# KiCad board TRS80IJP_1.kicad_pcb (continued)
## Nets
+5V: C12.1 C13.2 C20.2 C22.2 C23.2 C24.2 C25.2 C26.2 C29.2 C32.2 C35.2 C38.2 C39.2 C44.2 C45.2 C46.2 C47.2 C49.2 C51.2 C52.2 C53.2 C54.2 C55.2 C56.2 C58.2 C59.2 C63.2 C64.2 C65.2 C66.2 C67.2 C68.2 C69.2 C71.2 C72.2 CN1.1 CN3.1 CR2.1 CR4.1 FAN1.3 JP9.1 K1.5 Q2.1 R5.2 R7.2 R16.2 R19.2 R20.1 R31.2 R34.1 R39.2 R40.2 R41.1 R48.1 R49.2 R52.2 R54.1 R55.1 R64.1 R65.1 R66.1 R67.1 R68.1 R69.1 R70.1 R71.1 R72.1 R74.1 R75.2 R76.1 R77.1 RP1.1 RP2.1 Z1.3 Z3.8 Z4.16 Z5.14 Z6.5 Z7.5 Z8.16 Z9.18 Z10.18 Z11.16 Z12.20 Z13.16 Z14.16 Z15.9 Z16.9 Z17.9 Z18.9 Z19.9 Z20.9 Z21.9 Z22.9 Z23.20 Z24.16 Z26.14 Z27.16 Z28.5 Z29.16 Z30.16 Z31.14 Z32.14 Z33.14 Z34.5 Z35.5 Z36.16 Z37.18 Z38.18 Z39.16 Z40.14 Z41.14 Z42.24 Z43.24 Z44.14 Z45.14 Z46.14 Z47.14 Z48.11 Z49.20 Z50.14 Z51.14 Z52.14 Z53.14 Z54.14 Z55.14 Z56.16 Z57.16 Z58.16 Z59.16 Z60.14 Z61.16 Z62.14 Z63.14 Z64.14 Z65.5 Z66.16 Z67.14 Z68.20
+12V: C14.1 C15.2 C27.2 C30.2 C33.2 C36.2 FAN1.1 R26.1 R30.1 Z1.11 Z1.12 Z2.3 Z15.8 Z16.8 Z17.8 Z18.8 Z19.8 Z20.8 Z21.8 Z22.8
-5V: C6.2 C7.2 C8.2 C28.2 C31.2 C34.2 C37.2 CR3.2 FAN1.2 R12.2 Z15.1 Z16.1 Z17.1 Z18.1 Z19.1 Z20.1 Z21.1 Z22.1
/RAM/V0: Z9.5 Z10.5 Z36.9
/RAM/V1: Z9.6 Z10.6 Z36.4
/RAM/V2: Z9.7 Z10.7 Z36.12
/RAM/V3: Z9.4 Z10.4 Z36.7
/RAM/V4: Z9.3 Z10.3 Z29.9
/RAM/V5: Z9.2 Z10.2 Z29.4
/RAM/V6: Z8.9 Z9.1 Z10.1
/RAM/V7: Z8.12 Z9.17 Z10.17
/RAM/V8: Z8.4 Z9.16 Z10.16
/RAM/V9: Z8.7 Z9.15 Z10.15
GND: C1.2 C3.2 C4.2 C5.1 C6.1 C7.1 C8.1 C9.2 C10.2 C12.2 C13.1 C14.2 C15.1 C19.2 C20.1 C22.1 C23.1 C24.1 C25.1 C26.1 C27.1 C28.1 C29.1 C30.1 C31.1 C32.1 C33.1 C34.1 C35.1 C36.1 C37.1 C38.1 C39.1 C40.2 C41.1 C44.1 C45.1 C46.1 C47.1 C48.1 C49.1 C51.1 C52.1 C53.1 C54.1 C55.1 C56.1 C57.2 C58.1 C59.1 C63.1 C64.1 C65.1 C66.1 C67.1 C68.1 C69.1 C70.2 C71.1 C72.1 CN1.19 CN3.19 CR2.2 CR3.1 E1.8 E1.29 E1.37 FAN1.4 J1.4 J2.5 J3.2 JP4.4 JP5.4 R2.1 R6.2 R8.2 R24.2 R25.2 R27.1 R37.1 R53.2 S2.1 Z1.7 Z2.7 Z3.4 Z4.8 Z5.7 Z6.10 Z7.10 Z8.8 Z8.15 Z9.8 Z9.9 Z10.8 Z10.9 Z11.8 Z12.10 Z13.8 Z13.15 Z14.8 Z14.15 Z15.16 Z16.16 Z17.16 Z18.16 Z19.16 Z20.16 Z21.16 Z22.16 Z23.10 Z23.19 Z24.8 Z25.7 Z26.7 Z27.5 Z27.8 Z27.15 Z28.10 Z29.8 Z29.15 Z30.8 Z31.7 Z32.7 Z33.7 Z34.2 Z34.3 Z34.10 Z35.10 Z36.8 Z36.15 Z37.9 Z38.9 Z39.1 Z39.8 Z39.15 Z40.7 Z41.7 Z42.12 Z43.12 Z44.7 Z45.7 Z46.7 Z47.7 Z48.29 Z49.10 Z50.7 Z51.7 Z52.7 Z53.7 Z53.12 Z54.7 Z55.7 Z56.8 Z57.1 Z57.2 Z57.3 Z57.6 Z57.8 Z57.14 Z58.1 Z58.2 Z58.3 Z58.6 Z58.8 Z59.8 Z60.7 Z61.8 Z62.7 Z63.7 Z64.7 Z65.10 Z66.8 Z66.15 Z67.7 Z68.10
!HALT: Z47.5 Z48.18
!IORQ: Z48.20 Z64.9 Z67.5 Z67.9
!M1: Z48.27 Z64.10
!MREQ: Z48.19 Z66.2 Z67.2 Z67.13
!NMI: Z45.10 Z48.17
!RD: Z44.10 Z47.9 Z48.21 Z67.10 Z67.12
!RESET: Z46.12 Z48.26
!SHIFT: Z50.12 Z57.7 Z58.7
!WR: Z44.9 Z48.22 Z67.1 Z67.4
/CPU/A0: CN1.5 CN3.5 E1.25 Z14.2 Z36.11 Z41.6 Z42.8 Z43.8 Z68.9
/CPU/A1: CN1.4 CN3.4 E1.27 Z14.5 Z36.2 Z41.5 Z42.7 Z43.7 Z68.12
/CPU/A2: CN1.6 CN3.6 E1.40 Z14.11 Z36.14 Z41.4 Z42.6 Z43.6 Z68.7
/CPU/A3: CN1.9 CN3.9 E1.34 Z14.14 Z36.5 Z41.3 Z42.5 Z43.5 Z68.14
/CPU/A4: CN1.2 CN3.2 E1.31 Z13.2 Z29.11 Z41.11 Z42.4 Z43.4 Z68.5
/CPU/A5: CN1.3 CN3.3 E1.35 Z13.5 Z29.2 Z41.12 Z42.3 Z43.3 Z68.16
/CPU/A6: CN1.7 CN3.7 E1.38 Z8.11 Z13.11 Z41.2 Z42.2 Z43.2 Z68.3
/CPU/A7: CN1.8 CN3.8 E1.36 Z8.14 Z14.3 Z41.1 Z42.1 Z43.1 Z68.18
/CPU/A8: CN2.1 E1.11 Z8.2 Z14.6 Z42.23 Z43.23 Z49.14
/CPU/A9: CN2.2 E1.17 Z8.5 Z14.10 Z42.22 Z43.22 Z49.16
/CPU/A10: CN2.3 E1.4 Z14.13 Z42.19 Z43.19 Z49.18 Z61.14
/CPU/A11: CN2.4 E1.9 Z13.3 Z42.18 Z43.18 Z49.3 Z61.13
/CPU/A12: E1.5 Z13.6 Z42.21 Z43.21 Z49.5 Z61.2
/CPU/A13: E1.6 Z13.10 Z49.7 Z61.3
/CPU/A14: E1.10 Z44.12 Z44.13 Z49.12 Z64.1
/CPU/A15: E1.7 Z49.9 Z64.5
/CPU/UA0: Z48.30 Z68.11
/CPU/UA1: Z48.31 Z68.8
/CPU/UA2: Z48.32 Z68.13
/CPU/UA3: Z48.33 Z68.6
/CPU/UA4: Z48.34 Z68.15
/CPU/UA5: Z48.35 Z68.4
/CPU/UA6: Z48.36 Z68.17
/CPU/UA7: Z48.37 Z68.2
/CPU/UA8: Z48.38 Z49.6
/CPU/UA9: Z48.39 Z49.4
/CPU/UA10: Z48.40 Z49.2
/CPU/UA11: Z48.1 Z49.17
/CPU/UA12: Z48.2 Z49.15
/CPU/UA13: Z48.3 Z49.13
/CPU/UA14: Z48.4 Z49.8
/CPU/UA15: Z48.5 Z49.11
/CPU/UD0: Z23.3 Z48.14
/CPU/UD1: Z23.2 Z48.15
/CPU/UD2: Z23.5 Z48.12
/CPU/UD3: Z23.9 Z48.8
/CPU/UD4: Z23.8 Z48.7
/CPU/UD5: Z23.7 Z48.9
/CPU/UD6: Z23.6 Z48.10
/CPU/UD7: Z23.4 Z48.13
/D0: E1.30 RP1.7 Z4.13 Z12.12 Z22.2 Z23.17 Z24.13
/D1: E1.22 RP1.4 Z4.12 Z12.11 Z21.2 Z23.18 Z24.3
/D2: E1.32 RP1.8 Z4.4 Z12.18 Z20.2 Z23.15 Z24.11
/D3: E1.26 RP1.9 Z4.5 Z12.17 Z19.2 Z23.11 Z30.11
/D4: E1.18 RP1.2 Z12.16 Z18.2 Z23.12 Z30.13
/D5: E1.28 RP1.6 Z12.15 Z17.2 Z23.13 Z24.9
/D6: E1.24 RP1.5 Z12.14 Z16.2 Z23.14 Z24.7 Z59.3
/D7: E1.20 RP1.3 Z12.13 Z15.2 Z23.16 Z24.5 Z53.2 Z59.5
/KEYBOARD & EDGE CONNECTOR/MD0: CN1.11 CN3.11 RP2.3 Z22.14 Z24.14 Z42.9 Z43.9
/KEYBOARD & EDGE CONNECTOR/MD1: CN1.12 CN3.16 RP2.2 Z21.14 Z24.2 Z42.10 Z43.10
/KEYBOARD & EDGE CONNECTOR/MD2: CN1.13 CN3.10 RP2.5 Z20.14 Z24.12 Z42.11 Z43.11
/KEYBOARD & EDGE CONNECTOR/MD3: CN1.14 CN3.13 RP2.7 Z19.14 Z30.12 Z42.13 Z43.13
/KEYBOARD & EDGE CONNECTOR/MD4: CN1.15 CN3.18 RP2.9 Z18.14 Z30.14 Z42.14 Z43.14
/KEYBOARD & EDGE CONNECTOR/MD5: CN1.16 CN3.12 RP2.8 Z17.14 Z24.10 Z42.15 Z43.15
/KEYBOARD & EDGE CONNECTOR/MD6: CN1.17 CN3.15 RP2.6 Z16.14 Z24.6 Z42.16 Z43.16
/KEYBOARD & EDGE CONNECTOR/MD7: CN1.18 CN3.17 RP2.4 Z15.14 Z24.4 Z42.17 Z43.17
/MEMORY/SMA0: R104.2 Z15.5 Z16.5 Z17.5 Z18.5 Z19.5 Z20.5 Z21.5 Z22.5
/MEMORY/SMA1: R107.2 Z15.7 Z16.7 Z17.7 Z18.7 Z19.7 Z20.7 Z21.7 Z22.7
/MEMORY/SMA2: R108.2 Z15.6 Z16.6 Z17.6 Z18.6 Z19.6 Z20.6 Z21.6 Z22.6
/MEMORY/SMA3: R103.2 Z15.12 Z16.12 Z17.12 Z18.12 Z19.12 Z20.12 Z21.12 Z22.12
/MEMORY/SMA4: R105.2 Z15.11 Z16.11 Z17.11 Z18.11 Z19.11 Z20.11 Z21.11 Z22.11
/MEMORY/SMA5: R106.2 Z15.10 Z16.10 Z17.10 Z18.10 Z19.10 Z20.10 Z21.10 Z22.10
/MEMORY/SMA6: R102.2 Z15.13 Z16.13 Z17.13 Z18.13 Z19.13 Z20.13 Z21.13 Z22.13
/RAM/BIT0: Z10.14 Z11.14 Z12.8
/RAM/BIT1: Z10.13 Z11.13 Z12.9
/RAM/BIT2: Z10.12 Z11.3 Z12.2
/RAM/BIT3: Z10.11 Z11.6 Z12.3
/RAM/BIT4: Z9.14 Z11.4 Z12.4
/RAM/BIT5: Z9.13 Z11.11 Z12.5
/VIDEO/CA0: Z11.15 Z37.7 Z38.7 Z39.6
/VIDEO/CA1: Z11.12 Z37.6 Z38.6 Z39.10
/VIDEO/CA2: Z11.2 Z37.5 Z38.5 Z39.5
/VIDEO/CA3: Z11.7 Z37.4 Z38.4 Z39.11
/VIDEO/CA4: Z11.5 Z37.3 Z38.3 Z39.4
/VIDEO/CA5: Z11.10 Z37.2 Z38.2 Z39.12
/VIDEO/CD0: Z37.12 Z38.12 Z57.4
/VIDEO/CD1: Z37.13 Z38.13 Z57.5
/VIDEO/CD2: Z37.14 Z38.14 Z57.10
/VIDEO/CD3: Z37.15 Z38.15 Z57.11
/VIDEO/CD4: Z37.16 Z38.16 Z57.12
BIT6: Z9.12 Z12.6 Z56.13
BIT7: Z9.11 Z12.7 Z56.4
BLANK: Z54.1 Z56.5
C1: Z27.7 Z36.10
C2: Z27.13 Z34.9 Z36.3
C4: Z27.14 Z28.14 Z34.8 Z36.13
C8: Z28.1 Z28.12 Z36.6 Z46.1
C16: Z5.10 Z28.9 Z29.10 Z51.13
C32: Z5.11 Z28.8 Z29.3
CA6: Z37.1 Z38.1 Z56.15
CAS: E1.3 Z59.14 Z66.7
CASSIN: C17.1 J3.4 R37.2
CGA!CS: Z37.17 Z53.5
CGB!CS: Z38.17 Z53.6
CHAIN: Z27.9 Z34.1
CLOCK: Z27.3 Z50.8 Z62.11 Z63.3 Z63.11 Z65.1 Z65.14
CLOCK2: Z27.2 Z65.12
CSA: CN2.5 Z60.10 Z60.11 Z61.4
CSB: CN2.6 JP1.1 Z61.5
CSC: CN2.7 JP2.1 Z61.6
CSD: CN2.8 JP3.1 Z61.12
CTR: Z6.6 Z6.7 Z46.8 Z65.6 Z65.7
ENABLE: Z30.1 Z46.10 Z49.1 Z49.19 Z66.1 Z68.1 Z68.19
FTAPEE: Z40.3 Z59.1
FTAPEIN: Z31.4 Z31.8 Z59.4
H: Z32.5 Z32.13 Z62.5
H1: R74.2 Z62.4 Z62.10 Z63.4 Z63.10
HDRV: Z5.9 Z28.11 Z35.14 Z54.3 Z62.1
IN: E1.19 Z30.9 Z40.1
INT: E1.21 R77.2 Z48.16
INTAK: E1.14 Z64.8
KYBD: CN1.10 CN3.14 Z60.4 Z61.10
L1: Z35.1 Z35.12 Z37.11 Z38.11 Z45.2
L2: Z35.9 Z37.10 Z38.10
L4: JP10.4 Z5.3 Z35.8 Z37.8 Z38.8 Z39.14
L8: Z5.5 Z34.14 Z35.11 Z39.2 Z52.12 Z56.12
LATCH: Z11.9 Z31.11 Z50.11 Z53.11 Z56.9
MCAS: R69.2 R101.1 Z59.13
MEM: Z24.1 Z24.15 Z30.15 Z40.8
MODESIG: Z4.6 Z27.1 Z59.2
MRAS: R76.2 R109.1 Z66.11
MUX: E1.16 Z13.1 Z14.1 Z66.5
OUT: E1.12 Z30.7 Z40.5
OUTSIG: Z4.9 Z31.5 Z40.6 Z53.3
R1: Z7.14 Z8.10 Z33.13 Z34.12 Z44.1
R2: JP7.4 Z5.13 Z7.1 Z7.12 Z8.13 Z33.11
R4: JP6.1 JP8.4 Z7.9 Z8.3
R8: JP6.4 Z7.8 Z8.6
RAM: Z59.15 Z60.3 Z64.11
RAS: E1.1 Z64.4 Z66.3 Z66.12
RD: E1.15 Z29.5 Z30.5 Z40.10
RELAYA: J3.1 K1.3 R1.1
RELAYB: C2.2 J3.3 K1.1
ROMA: Z42.20 Z60.8 Z60.13
ROMB: JP2.2 R72.2 Z43.20 Z60.2
SCLR: R68.2 Z57.9 Z58.9
SHIFT: Z6.14 Z27.4 Z50.13
SHIFT57: Z55.6 Z57.15
SHIFT58: Z55.8 Z58.15
SHIFTQ: Z3.1 Z3.2 Z54.13
SYNC: C43.2 R11.1 Z32.3
SYSRES: CN2.9 E1.2 Z45.13
TEST: E1.23 R55.2 Z46.11 Z47.10 Z48.25
V: Z32.9 Z32.12 Z52.8
VCLR: Z11.1 Z53.8 Z56.1
VDRV: Z5.1 Z7.11 Z44.2 Z52.2 Z54.2
VID: Z8.1 Z29.1 Z36.1 Z53.10 Z61.9
VRD: Z29.7 Z51.1
VWR: Z9.10 Z10.10 Z29.12 Z40.12 Z40.13 Z51.2
WAIT: E1.33 R41.2 Z48.24
WR: E1.13 R110.1 Z29.14 Z30.3
Z3_5: CR4.2 K1.2 Z3.5
Z3_6_7: Z3.6 Z3.7 Z4.2
Z23DIR: Z23.1 Z47.11
Z251IN+: R35.1 Z25.1
Z251IN-: R44.1 R45.2 Z25.6
Z251OUT: CR6.2 R45.1 Z25.5
Z252IN+: R36.2 R38.1 Z25.2
Z252IN-: R43.1 Z25.3
Z252OUT: CR5.2 R42.1 R43.2 R44.2 Z25.4
Z253IN+: R46.1 Z25.13
Z253IN-: R47.1 Z25.8
Z253OUT: C50.1 Z25.9
Z254IN+: R33.2 Z25.12
Z254IN-: R50.1 R51.2 Z25.11
Z254OUT: CR7.2 R46.2 R51.1 Z25.10
Ø: R75.1 Z48.6 Z66.13
Net-(C1-Pad1): C1.1 R33.1 R34.2 R35.2 R36.1
Net-(C2-Pad1): C2.1 R1.2
Net-(C5-Pad2): C5.2 R12.1 S1.8
Net-(C17-Pad2): C17.2 C18.1 R42.2
Net-(C18-Pad2): C18.2 R38.2
Net-(C40-Pad1): C40.1 R31.1 R32.2 Z47.4
Net-(C50-Pad2): C50.2 R52.1 R53.1 Z31.10
Net-(C57-Pad1): C57.1 Z45.8 Z45.9 Z45.11 Z47.6
Net-(C60-Pad1): C60.1 R57.1 Z50.3
Net-(C60-Pad2): C60.2 R56.2 Z50.6 Z50.9
Net-(C70-Pad1): C70.1 R49.1 Z47.1 Z47.2
Net-(CR1-+): CR1.1 S1.2
Net-(CR1--): CR1.3 S1.1
Net-(CR1-Pad2): CR1.2 J1.3
Net-(CR1-Pad4): CR1.4 J1.1
Net-(CR5-K): C48.2 CR5.1 CR6.1 R50.2
Net-(CR7-K): CR7.1 CR8.2
Net-(CR8-K): C41.2 CR8.1 R47.2
Net-(J1-Pad2): J1.2 S1.4
Net-(J3-Pad5): J3.5 R2.2 R3.1 R4.1
Net-(JP1-Pin_2): JP1.2 R71.2 Z60.9
Net-(JP3-Pin_2): JP3.2 R70.2 Z60.5
Net-(JP4-Pin_1): JP4.1 R65.2
Net-(JP4-Pin_2): JP4.2 JP4.3 Z53.4
Net-(JP5-Pin_1): JP5.1 R67.2
Net-(JP5-Pin_2): JP5.2 JP5.3 Z53.1
Net-(JP6-Pin_2): JP6.2 JP6.3 Z5.2
Net-(JP7-Pin_1): JP7.1 Z33.10
Net-(JP7-Pin_2): JP7.2 JP7.3 Z52.1
Net-(JP8-Pin_1): JP8.1 R64.2
Net-(JP8-Pin_2): JP8.2 JP8.3 Z52.10
Net-(JP9-Pin_2): J2.1 JP9.2
Net-(JP10-Pin_1): JP10.1 Z46.4
Net-(JP10-Pin_2): JP10.2 JP10.3 Z5.4
Net-(Q1-B): Q1.3 R8.1 R9.2 R10.2
Net-(Q1-C): C3.1 C4.1 Q1.2 R7.1
Net-(Q1-E): J2.4 Q1.1 R6.1
Net-(Q2-B): C43.1 Q2.3 R11.2
Net-(Q2-C): Q2.2 R10.1
Net-(Q3-B): Q3.3 R14.1 Z1.10
Net-(Q3-C): Q3.2 Q4.1 R13.1
Net-(Q3-E): Q3.1 Q4.3 R14.2 R15.2 R16.1
Net-(Q4-E): C10.1 Q4.2 R13.2 S1.6 S1.7
Net-(Q5-B): Q5.3 R20.2
Net-(Q5-C): Q5.2 R21.1
Net-(Q5-E): Q5.1 R17.2 Z1.5
Net-(Q6-B): Q6.1 R28.1 Z2.11
Net-(Q6-C): Q6.3 R29.1 R30.2 Z2.10
Net-(Q6-E): C9.1 Q6.2 R28.2 S1.5 Z2.12
Net-(R17-Pad1): R17.1 R24.1
Net-(R17-Pad3): R17.3 R18.2
Net-(R23-Pad1): R23.1 R25.1
Net-(R23-Pad3): R23.3 R26.2
Net-(R54-Pad2): R54.2 Z46.9
Net-(R56-Pad1): R56.1 Y1.1 Z50.5
Net-(R57-Pad2): R57.2 Y1.2 Z50.4
Net-(S2-B): R32.1 S2.2
Net-(Z1--): C11.1 R19.1 Z1.4
Net-(Z1-FC): C11.2 Z1.13
Net-(Z1-ILIM): R15.1 R21.2 Z1.2
Net-(Z1-VREF): R18.1 Z1.6
Net-(Z2-+): R22.1 Z2.5
Net-(Z2--): C16.1 R23.2 Z2.4
Net-(Z2-FC): C16.2 Z2.13
Net-(Z2-ILIM): R27.2 R29.2 Z2.2
Net-(Z2-VREF): R22.2 Z2.6
Net-(Z3-Pin_3): R9.1 Z3.3
Net-(Z4-Q3): R3.2 Z4.15
Net-(Z4-~{Mr}): R40.1 Z4.1
Net-(Z4-~{Q2}): R4.2 R5.1 Z4.11
Net-(Z6-CP1..3): Z6.1 Z6.12 Z31.13
Net-(Z7-R0(1)): Z7.2 Z7.3 Z26.10
Net-(Z12-A->B): Z12.1 Z40.11
Net-(Z12-CE): Z12.19 Z51.3
Net-(Z13-Za): R105.1 Z13.4
Net-(Z13-Zb): R106.1 Z13.7
Net-(Z13-Zc): R102.1 Z13.9
Net-(Z14-Za): R104.1 Z14.4
Net-(Z14-Zb): R107.1 Z14.7
Net-(Z14-Zc): R108.1 Z14.9
Net-(Z14-Zd): R103.1 Z14.12
Net-(Z15-Pin_3): R110.2 Z15.3 Z16.3 Z17.3 Z18.3 Z19.3 Z20.3 Z21.3 Z22.3
Net-(Z15-Pin_4): R109.2 Z15.4 Z16.4 Z17.4 Z18.4 Z19.4 Z20.4 Z21.4 Z22.4
Net-(Z15-Pin_15): R101.2 Z15.15 Z16.15 Z17.15 Z18.15 Z19.15 Z20.15 Z21.15 Z22.15
Net-(Z25-VCC): C19.1 R39.1 Z25.14
Net-(Z26-Pad1): Z5.6 Z26.1
Net-(Z26-Pad11): Z5.12 Z26.11
Net-(Z26-Pad13): Z5.8 Z26.13
Net-(Z27-I0c): Z6.9 Z27.11 Z31.12
Net-(Z27-I1b): Z6.8 Z27.6 Z27.10
Net-(Z27-Zd): Z27.12 Z62.3
Net-(Z28-R0(1)): Z26.12 Z28.2 Z28.3
Net-(Z29-I1b): R48.2 Z29.6 Z29.13
Net-(Z30-I1): Z30.2 Z67.3
Net-(Z30-I2): Z30.4 Z67.11
Net-(Z30-I3): Z30.6 Z67.6
Net-(Z30-I4): Z30.10 Z67.8
Net-(Z31-Pad6): Z31.6 Z31.9
Net-(Z32-Pad1): Z32.1 Z32.6
Net-(Z32-Pad2): Z32.2 Z32.8
Net-(Z32-Pad10): Z32.4 Z32.10 Z32.11
Net-(Z33-Pad12): Z33.12 Z52.13
Net-(Z35-R0(1)): Z26.2 Z35.2 Z35.3
Net-(Z39-Za): Z39.7 Z58.11 Z58.12 Z58.14
Net-(Z39-Zb): Z39.9 Z58.4 Z58.5 Z58.10
Net-(Z40-Pad2): Z40.2 Z40.4 Z41.8
Net-(Z40-Pad9): Z40.9 Z60.12
Net-(Z44-Pad3): Z44.3 Z45.3
Net-(Z44-Pad11): Z44.11 Z64.12
Net-(Z45-Pad1): Z45.1 Z46.3
Net-(Z45-Pad12): Z45.12 Z46.13 Z47.3
Net-(Z46-Pad2): Z46.2 Z51.12
Net-(Z47-Pad12): Z47.8 Z47.12 Z47.13
Net-(Z50-Pad10): Z50.10 Z55.4 Z55.12
Net-(Z52-Pad3): Z52.3 Z52.4
Net-(Z52-Pad6): Z52.6 Z52.9
Net-(Z52-Pad11): Z52.5 Z52.11
Net-(Z53B-~{R}): R66.2 Z53.13
Net-(Z56-Q0): Z55.13 Z56.2
Net-(Z56-Q1): Z55.5 Z55.9 Z55.10 Z56.7
Net-(Z56-~{Q0}): Z55.2 Z56.3
Net-(Z56-~{Q2}): Z55.1 Z56.11
Net-(Z57-Qh): Z54.11 Z57.13
Net-(Z58-Qh): Z54.12 Z58.13
Net-(Z60-Pad1): Z60.1 Z60.6
Net-(Z61A-E): Z61.1 Z64.3
Net-(Z61A-O3): Z61.7 Z61.15
Net-(Z62A-D): Z51.11 Z62.2
Net-(Z62B-D): Z62.12 Z63.9 Z66.4
Net-(Z62B-~{Q}): Z62.8 Z66.6
Net-(Z62B-~{R}): Z44.8 Z62.13 Z63.1 Z63.2 Z63.13
Net-(Z63A-Q): Z63.5 Z63.12
Net-(Z64-Pad13): Z64.2 Z64.6 Z64.13
Net-(Z65-Q3): Z65.8 Z66.14

Pads without a net: J1 5; J2 2 3; K1 4; Z1 1 8 9 14; Z2 1 8 9 14; Z4 3 7 10 14; Z6 2 3 4 11 13; Z7 4 6 7 13; Z13 12 13 14; Z26 3 4 5 6 8 9; Z28 4 6 7 13; Z31 1 2 3; Z33 1 2 3 4 5 6 8 9; Z34 4 6 7 11 13; Z35 4 6 7 13; Z39 3 13; Z41 9 10 13; Z44 4 5 6; Z45 4 5 6; Z46 5 6; Z48 23 28; Z50 1 2; Z51 4 5 6 8 9 10; Z53 9; Z54 4 5 6 8 9 10; Z55 3 11; Z56 6 10 14; Z59 6 7 9 10 11 12; Z61 11; Z62 6 9; Z63 6 8; Z65 2 3 4 9 11 13; Z66 9 10

## Via types
v1: diameter 0.8, hole 0.4, Top to Bottom, 737 vias

## Routing (per net, layer and track width the routed paths; a pad name or vN(x,y) marks a point on that pad's centre or on a via; arc(x,y) is an arc through that point)
+5V: length 1710.5
  Top w0.25: FAN1.3 179.5,160.73 180.57,159.66 180.57,152.82 178.08,150.33 178.08,145.82 v1(178.18,145.73) ; v1(383.39,161.6) v1(383.39,159.19) ; v1(320.91,87.31) v1(320.91,85.66) ; v1(319.64,85.66) v1(319.64,87.31) ; 32.74,123.76 32.92,123.94 Q2.1 34.74,121.4 34.82,121.32 ; 173.26,40.2 172.89,40.57 171.05,40.57 v1(170.67,40.95) ; 313.92,162.62 v1(311.76,162.62) ; v1(382.5,159.19) v1(382.5,161.6) ; 366.93,68.02 C58.2
  Top w1.5: 228.79,98.79 v1(227.93,99.65) ; 228.79,98.79 227.73,99.85 Z15.9 ; 228.79,98.79 229.91,97.67 230.77,97.67 ; v1(227.93,99.65) 227.71,99.43 227.71,98.5 ; v1(227.93,99.65) 227.93,97.71 v1(227.97,97.67) ; 249.32,169.3 249.33,170.63 249.53,170.83 R19.2 ; 249.32,169.3 248.32,168.29 R20.1 248.39,168.29 249.31,167.37 ; 249.32,169.3 249.31,167.37 ; 128.46,71.54 128.46,69.89 129.82,68.53 ; 128.46,71.54 128.46,73.56 R48.1 ; 128.46,71.54 128.46,69.57 127.49,68.6 ; v1(397.7,129.16) v1(395.8,129.15) 390.84,129.16 ; 33.19,37.33 32.15,36.29 Z51.14 32.15,36.2 31.22,37.13 ; 93.58,37.81 94.45,38.68 R67.1 94.45,38.51 95.25,37.71 ; 251.59,97.67 250.72,98.54 Z17.9 250.72,98.29 250.1,97.67 ; 251.59,97.67 250.1,97.67 ; 251.59,97.67 v1(254.55,97.67) 258.38,97.67 258.52,97.81 261.31,97.81 ; 251.56,39.53 250.71,38.68 R74.1 250.71,38.69 249.83,39.57 ; 290.47,40.13 289.46,41.14 C69.2 289.46,41.22 288.43,40.19 ; 113.96,65.96 114.99,64.93 114.99,61.87 C53.2 ; v1(198.7,120.13) Z14.16 196.51,119.82 ; 230.77,97.67 v1(227.97,97.67) ; 230.77,97.67 v1(231.84,97.67) 238.94,97.67 ; R72.1 198.62,8.22 C67.2 ; 246.15,39.47 246.92,38.7 Z63.14 246.92,38.81 247.72,39.61 ; 93.91,37.01 93.2,36.3 Z54.14 93.2,36.24 92.36,37.08 ; 250.1,97.67 240.18,97.67 ; R19.2 258.17,170.83 259.96,172.62 ; R19.2 260.39,170.83 260.47,170.91 ; 390.84,129.16 390.84,128.12 390.85,128.11 ; 390.84,129.16 392.14,127.86 397.63,127.86 397.64,127.87 ; 390.84,129.16 R31.2 ; Z28.5 82.08,80.79 C44.2 ; 367.67,122.59 367.67,123.25 ; 367.67,122.59 C39.2 ; 367.67,122.59 370.47,125.39 ; 367.67,123.25 367.67,124.15 368.14,124.62 ; 367.67,123.25 365.53,125.39 ; 290.9,98.59 290.9,99.31 Z20.9 293.37,97.92 293.37,97.81 ; 355.6,123.48 356.65,124.53 ; 355.6,123.48 354.71,122.71 Z24.16 351.03,124.62 ; 355.6,123.48 353.23,123.48 352.9,123.81 ; 356.65,124.53 357.51,125.39 RP2.1 365.53,125.39 ; 356.65,124.53 356.56,124.62 351.03,124.62 ; 32.91,121.03 32.1,120.22 Z3.8 32.1,120.12 31.11,121.11 ; JP9.1 45,165.03 44.13,165.9 40.72,165.9 40.36,165.54 ; 46.61,120.97 47.49,120.09 Z4.16 47.49,120.12 48.34,120.97 ; 308.78,39.64 307.9,38.76 Z67.14 307.9,38.67 306.92,39.65 ; v1(121.21,129.15) 121.11,129.25 v1(118.58,129.25) ; 110.14,93.42 109.26,93.18 Z29.16 108.48,92.09 107.15,93.42 ; 262.84,39.44 262.06,38.66 Z64.14 261.78,38.77 260.79,39.67 ; 249.31,167.37 249.29,163.2 C12.1 ; 365.53,125.39 370.47,125.39 ; Z47.14 307.86,66.86 307.88,67.75 ; 226.95,98.86 226.89,98.8 225.19,98.8 225.19,98.87 Z15.9 ; 23.73,161.99 23.73,164.91 23.85,165.03 ; 13.85,119.68 13.85,120.29 12.78,121.36 ; 13.85,119.68 13.85,120.23 15.18,121.56 ; 13.85,119.68 13.85,116.3 14.4,115.75 17.96,115.75 18.65,116.44 R34.1 ; 126.12,68.16 125.04,67.08 Z37.18 125.04,67.09 123.72,68.41 ; 154.25,120.18 155.31,119.12 Z11.16 155.31,118.93 156.79,120.41 ; 21.68,93.43 23.31,95.06 23.31,96.07 ; 276.56,97.81 277.4,98.65 Z19.9 279.44,97.81 279.63,97.81 ; 276.56,97.81 265.08,97.81 ; 276.56,97.81 279.63,97.81 ; CR4.1 12.28,129.1 11.8,128.62 11.8,126.06 ; 80.9,37.16 81.77,36.29 R66.1 81.77,36.23 82.83,37.29 ; 232.46,39.73 231.5,38.77 Z62.14 231.5,38.83 230.7,39.63 ; 76.79,93.42 77.94,91.89 Z27.16 78,92.07 79.35,93.42 ; 139.05,37.48 140.33,36.2 Z57.16 140.33,36.37 141.05,37.09 ; 12.87,123.2 11.8,124.27 11.8,126.06 ; v1(8.14,123.03) 8.15,123.04 10.23,123.04 11.8,124.61 11.8,126.06 ; 141.22,120.02 140.17,118.97 Z10.18 140.17,118.87 139,120.04 ; Z48.11 313.93,38.84 313.92,38.85 ; 293.49,39.48 292.72,38.71 Z66.16 292.72,38.73 291.79,39.66 ; 63.81,65.74 62.74,64.67 Z33.14 62.74,64.72 61.6,65.86 ; v1(253.66,68.68) 253.97,68.37 C56.2 ; 78.83,37.04 77.98,36.19 Z53.14 77.98,36.27 77.35,36.9 ; 183.66,119.86 184.69,118.83 Z13.16 184.69,119 185.55,119.86 ; 262.36,67.54 262.21,67.39 Z44.14 ; Z15.9 224.21,97.69 224.19,97.67 v1(227.97,97.67) ; 15.88,37.18 16.87,36.19 Z50.14 16.87,36.26 17.9,37.29 ; 370.47,125.39 388.13,125.39 390.85,128.11 ; 48.64,65.58 47.53,64.47 Z32.14 47.53,64.55 46.35,65.73 ; 65.24,65.95 66.54,64.65 C52.2 66.54,64.49 67.92,65.87 ; 293.37,97.81 304.64,97.81 ; 293.37,97.81 279.63,97.81 ; 61.45,93.42 62.67,92.2 Z26.14 62.67,92.18 63.91,93.42 ; K1.5 23.75,163.44 24.57,164.26 ; K1.5 23.75,163.17 22.76,164.15 ; K1.5 23.75,164.5 23.85,165.03 ; 292.58,67.75 292.57,67.74 Z46.14 ; 209.9,80.53 208.89,79.52 Z42.24 208.89,79.63 207.86,80.66 ; 304.64,97.81 305.35,98.52 305.35,99.85 305.35,98.59 306.13,97.81 ; 304.64,97.81 306.13,97.81 ; 229.08,79.39 229.07,79.38 Z43.24 ; 95.56,121.47 97,120.03 C23.2 97,120.19 98.14,121.33 ; C49.2 R52.2 ; 97.66,37.1 96.97,36.41 C64.2 96.97,36.3 96.11,37.16 ; 145.13,37.06 143.98,35.91 R68.1 143.98,36.22 142.97,37.23 ; C55.2 238.06,65.68 238.86,66.48 ; 25.83,123.09 24.53,124.39 R5.2 24.53,124.61 23.21,123.29 ; 8.83,38.25 9.38,37.69 ; 265.08,97.81 264.16,97.81 Z18.9 262.12,98.62 261.31,97.81 ; 265.08,97.81 261.31,97.81 ; 390.85,128.11 390.85,127.62 391.86,126.61 v1(395.77,126.61) v1(397.63,126.61) ; 109.55,121.31 108.45,120.21 Z8.16 108.45,120.24 107.35,121.34 ; 109.4,65.3 108.34,64.24 Z36.16 108.34,64.27 107.3,65.31 ; 61.8,37.21 62.64,36.37 Z52.14 62.64,36.24 63.64,37.24 ; 240.18,97.67 239.29,98.56 Z16.9 239.29,98.64 239.3,98.63 238.94,97.67 ; 240.18,97.67 238.94,97.67 ; R65.1 58.76,13.34 R64.1 ; 217.18,39.64 216.41,38.87 Z61.16 216.41,38.85 215.72,39.54 ; 297.43,39.6 296.42,38.59 R76.1 296.42,38.81 295.8,39.43 ; R55.1 314.19,68.1 314.4,68.31 314.43,66.23 314.19,66.76 313.16,67.79 ; 173.26,40.2 174.47,38.99 R69.1 174.47,38.73 175.85,40.11 ; 351.03,124.62 350.29,125.36 339.13,125.36 338.11,124.34 Z23.20 ; 23.31,96.07 24.77,93.42 ; 23.31,96.07 20.66,93.42 ; 169.58,120.04 170.64,118.98 Z12.20 170.64,118.8 171.7,119.86 ; 36.78,121.02 36.04,120.28 R40.2 36.04,120.1 34.82,121.32 ; R54.1 296.5,67.73 296.48,67.75 ; 7.9,37.33 7.9,39.99 C59.2 8.06,37.57 8.05,37.58 v1(8.33,37.58) 8.33,37.3 8.09,37.54 ; 61.91,121.03 62.77,120.17 Z5.14 62.77,120.26 63.5,120.99 ; Z22.9 320.64,98.25 320.2,97.81 313.25,97.81 v1(313.03,97.59) 312.81,97.81 306.13,97.81 ; 23.85,165.03 22.32,165.92 22.3,165.94 v1(5.38,165.94) ; v1(279.96,163.88) v1(279.96,162.55) ; 30.97,65.65 32.2,64.42 Z31.14 32.2,64.52 33.29,65.61 ; v1(254.93,73.56) v1(256.89,73.56) ; 14.86,93.42 v1(14.86,93.42)
  Top w2: 383.22,43.85 376.76,37.39 Z68.20 ; C58.2 377.86,68.04 386.75,76.93 395.9,76.93 v1(395.91,76.92) 398.25,76.92 v1(398.28,76.89) ; Z49.20 366.93,68.02
  Top w2.25: v1(11.74,93.42) 21.68,93.43 24.77,93.42 v1(88.13,93.42) C45.2
  Top w2.5: CR2.1 118.6,156.54 118.94,156.88 R16.2
  Top w3: 383.22,43.85 v1(401.72,43.85) v1(404.74,43.85)
  Bottom w0.25: v1(383.39,159.19) v1(382.5,159.19) ; Z59.16 170.88,40.74 v1(170.67,40.95) ; v1(320.91,85.66) v1(319.64,85.66) ; R7.2 48.24,149.41 48.24,161.6 47.78,162.06 JP9.1 ; v1(383.39,161.6) v1(382.5,161.6) 382.37,161.6 ; v1(311.76,162.62) v1(314.05,162.62) ; v1(319.64,87.31) v1(320.91,87.31)
  Bottom w1.5: 267.31,26.14 267.31,28.29 ; 267.31,26.14 267.31,23.39 ; 267.31,26.14 267.29,26.14 C68.2 267.22,23.39 267.31,23.39 ; 267.31,26.14 268.4,27.23 Z65.5 268.37,27.23 267.31,28.29 ; 267.31,28.29 267.31,39.61 v1(267.33,39.63) ; Z45.14 277.42,67.74 v1(278.08,68.4) ; v1(196.74,40.13) 193.73,37.12 193.73,32.59 R70.1 188.97,27.83 188.97,18.22 R71.1 194.74,12.19 R72.1 ; 240.14,148.15 240.17,145.84 240.14,140.43 241.58,138.99 241.58,134.81 242.29,134.1 C13.2 ; 240.14,148.15 Z1.3 ; 240.14,148.15 240.1,148.11 240.1,159.29 240.24,159.43 C12.1 ; v1(41.79,37.39) 42.66,36.52 42.66,30.16 40.66,28.16 C63.2 ; v1(88.13,93.42) 88.13,82.21 86.7,80.79 Z28.5 ; Z31.14 35.98,60.99 C51.2 ; C29.2 231.81,91.2 231.81,97.64 v1(231.84,97.67) ; 183.62,56.54 189.11,56.54 189.85,55.8 189.85,45.25 189.84,45.25 v1(186.11,41.52) 185.87,41.28 Z60.14 ; Z39.16 155.45,65.63 v1(156.05,66.23) ; Z58.16 155.35,38.23 v1(155.37,38.25) ; Z38.18 138.71,66.44 v1(135.34,68.41) 135.34,74.33 C46.2 132.6,89.07 131.36,90.31 131.36,95.3 128.91,97.75 C24.2 128.91,117.64 128.9,117.63 Z9.18 ; v1(279.96,163.88) 279.95,163.87 279.94,163.87 279.94,163.85 ; 267.31,23.39 267.31,21.7 269.14,19.87 269.14,18.96 269.13,18.95 269.13,15.82 270.05,14.9 R75.2 ; RP1.1 353.96,148.13 353.96,157.73 v1(355,160.16) ; v1(87.52,65.53) 88.12,64.93 88.12,56.12 88.11,54.42 Z35.5 ; Z56.16 125,38.04 v1(125.01,38.05) ; v1(254.55,97.67) 254.66,97.56 254.66,91.22 C32.2 ; v1(8.14,123.03) 8.14,121.64 v1(8.16,121.62) ; C22.2 v1(66.53,121.05) ; v1(118.58,129.25) 118.6,129.27 118.71,129.15 ; Z6.5 71.75,108.75 72.65,109.65 v1(72.65,121.1) ; C65.2 114.1,26.65 114.1,37.34 v1(114.38,37.62) ; v1(5.41,164.07) 5.38,164.1 v1(5.38,165.94) ; v1(198.7,120.13) 198.7,123.07 200.9,125.27 223.11,125.27 227.08,121.3 227.08,116.49 227.93,115.64 v1(227.93,99.65) 227.97,99.61 v1(227.97,97.67) ; Z7.5 86.77,108.75 88.17,110.15 v1(88.17,121.3) ; 4.58,48.96 5.91,50.29 R52.2 5.95,50.29 4.44,51.8 ; Z55.14 v1(108.3,38.22) ; Z34.5 71.61,52.87 72.59,53.85 72.59,64.44 v1(70.76,66.27) ; v1(401.72,43.85) 403.74,41.83 403.74,6.05 CN1.1 401.87,4.17 CN3.1 ; Z46.14 291.56,65.57 290.6,64.6 290.6,43.16 290,42.56 C69.2 ; v1(59.16,37.36) 59.8,36.72 59.8,23.78 58.36,22.34 58.36,13.34 58.37,13.33 R65.1 ; C35.2 283.22,91.82 283.22,96.94 v1(283.68,97.4) ; v1(255.6,69.38) 254.9,68.68 v1(253.66,68.68) 253.66,72.29 v1(254.93,73.56) ; Z41.14 185.59,78.08 v1(184.07,79.59)
  Bottom w2.5: R16.2 150.19,146.08 150.28,145.98 150.36,145.68 v1(178.18,145.73) 238.27,145.83 239.28,145.83 239.3,145.81 ; 118.6,135.18 118.6,129.27 ; 118.6,135.18 CR2.1 ; 118.6,135.18 118.6,132.71 121.25,130.05 121.25,129.19 v1(121.21,129.15) 118.71,129.15
  vias: v1(8.09,65.24) v1(8.11,63.17) v1(10.57,37.56) v1(180.92,63.14) v1(180.92,60.88)
+12V: length 760.6
  Top w0.25: FAN1.1 180.35,165.81 183.37,162.79 183.37,144.8 188.52,139.65 188.52,132.86 188.45,132.79 188.45,132.72 189.5,131.67 243.49,131.67 244.06,131.65 247.99,131.73 249.08,131.73 249.26,131.89 254.19,136.82 254.19,144.2 Z1.11
  Top w1.5: v1(218.57,122.87) 218.57,124.79 219.11,125.33 v1(233.98,125.33) v1(256.3,125.33) v1(271.77,125.32) v1(300.05,125.3) 314.92,125.33 v1(314.93,125.32) ; v1(315.19,92.51) 314.99,92.31 221.87,92.31 221.84,92.28 v1(219.07,92.28)
  Bottom w0.25: Z1.12 Z1.11 ; 264.63,148.15 Z2.3 ; 267.18,148.15 267.26,147.56
  Bottom w1.5: C30.2 v1(246.14,92.22) 245.3,93.03 245.3,98.82 ; 245.3,100.58 244.57,99.85 Z17.8 244.27,99.85 245.3,98.82 ; 245.3,100.58 245.3,98.82 ; 245.3,100.58 245.3,122.61 245.35,124.52 v1(245.96,125.33) ; 257.36,98.43 v1(257.36,92.29) ; 257.36,98.43 255.94,99.85 ; 257.36,98.43 257.36,99.85 ; 286.29,98.73 285.17,99.85 Z20.8 285.03,99.85 286.29,101.11 ; 286.29,98.73 v1(286.29,92.31) ; 286.29,98.73 286.29,101.11 ; 300.06,100.73 300.06,99 ; 300.06,100.73 300.06,125.3 v1(300.05,125.3) ; 300.06,100.73 299.18,99.85 297.73,99.85 299.21,99.85 300.06,99 ; 300.06,99 v1(300.06,92.31) 300.06,90.97 C36.2 ; Z19.8 271.93,99.85 ; Z19.8 270.96,99.85 271.93,100.82 ; Z19.8 271.06,99.85 271.93,98.98 ; 271.93,99.85 271.93,98.98 ; 271.93,99.85 271.93,100.82 ; 271.93,98.98 271.93,91.45 C33.2 ; 257.36,99.85 257.36,101.27 ; 257.36,99.85 Z18.8 255.94,99.85 ; 257.36,101.27 255.94,99.85 ; 257.36,101.27 257.36,123.13 256.24,124.25 256.24,125.27 v1(256.3,125.33) ; 269.67,162.46 C14.1 269.67,158.58 267.26,156.17 267.26,129.91 271.77,125.4 v1(271.77,125.32) 271.93,125.16 271.93,100.82 ; 269.67,162.46 269.67,165.93 267.14,168.46 267.12,168.44 R26.1 ; 269.67,162.46 276.22,162.46 276.34,162.58 276.34,176.38 276.36,176.4 302.79,176.4 302.98,176.21 302.98,168.17 303.04,168.11 317.51,168.11 R30.1 ; 219.07,99.48 218.7,99.85 Z15.8 ; 219.07,99.48 219.07,122.37 v1(218.57,122.87) ; 219.07,99.48 v1(219.07,92.28) C27.2 ; v1(233.98,125.33) 233.99,125.32 233.99,99.67 ; 233.99,99.67 v1(234,92.31) ; 233.99,99.67 233.81,99.85 Z16.8 ; Z22.8 315.18,99.85 315.19,99.84 ; v1(314.93,125.32) 315.19,125.06 315.19,99.84 ; 315.19,99.84 v1(315.19,92.51) ; Z1.12 267.18,148.15 ; v1(284.54,125.33) 284.61,121.44 286.29,118.43 286.29,101.11
